# KiCad board Console.kicad_pcb
title: TI99_22; date: 2023-01-21; rev: V0.96
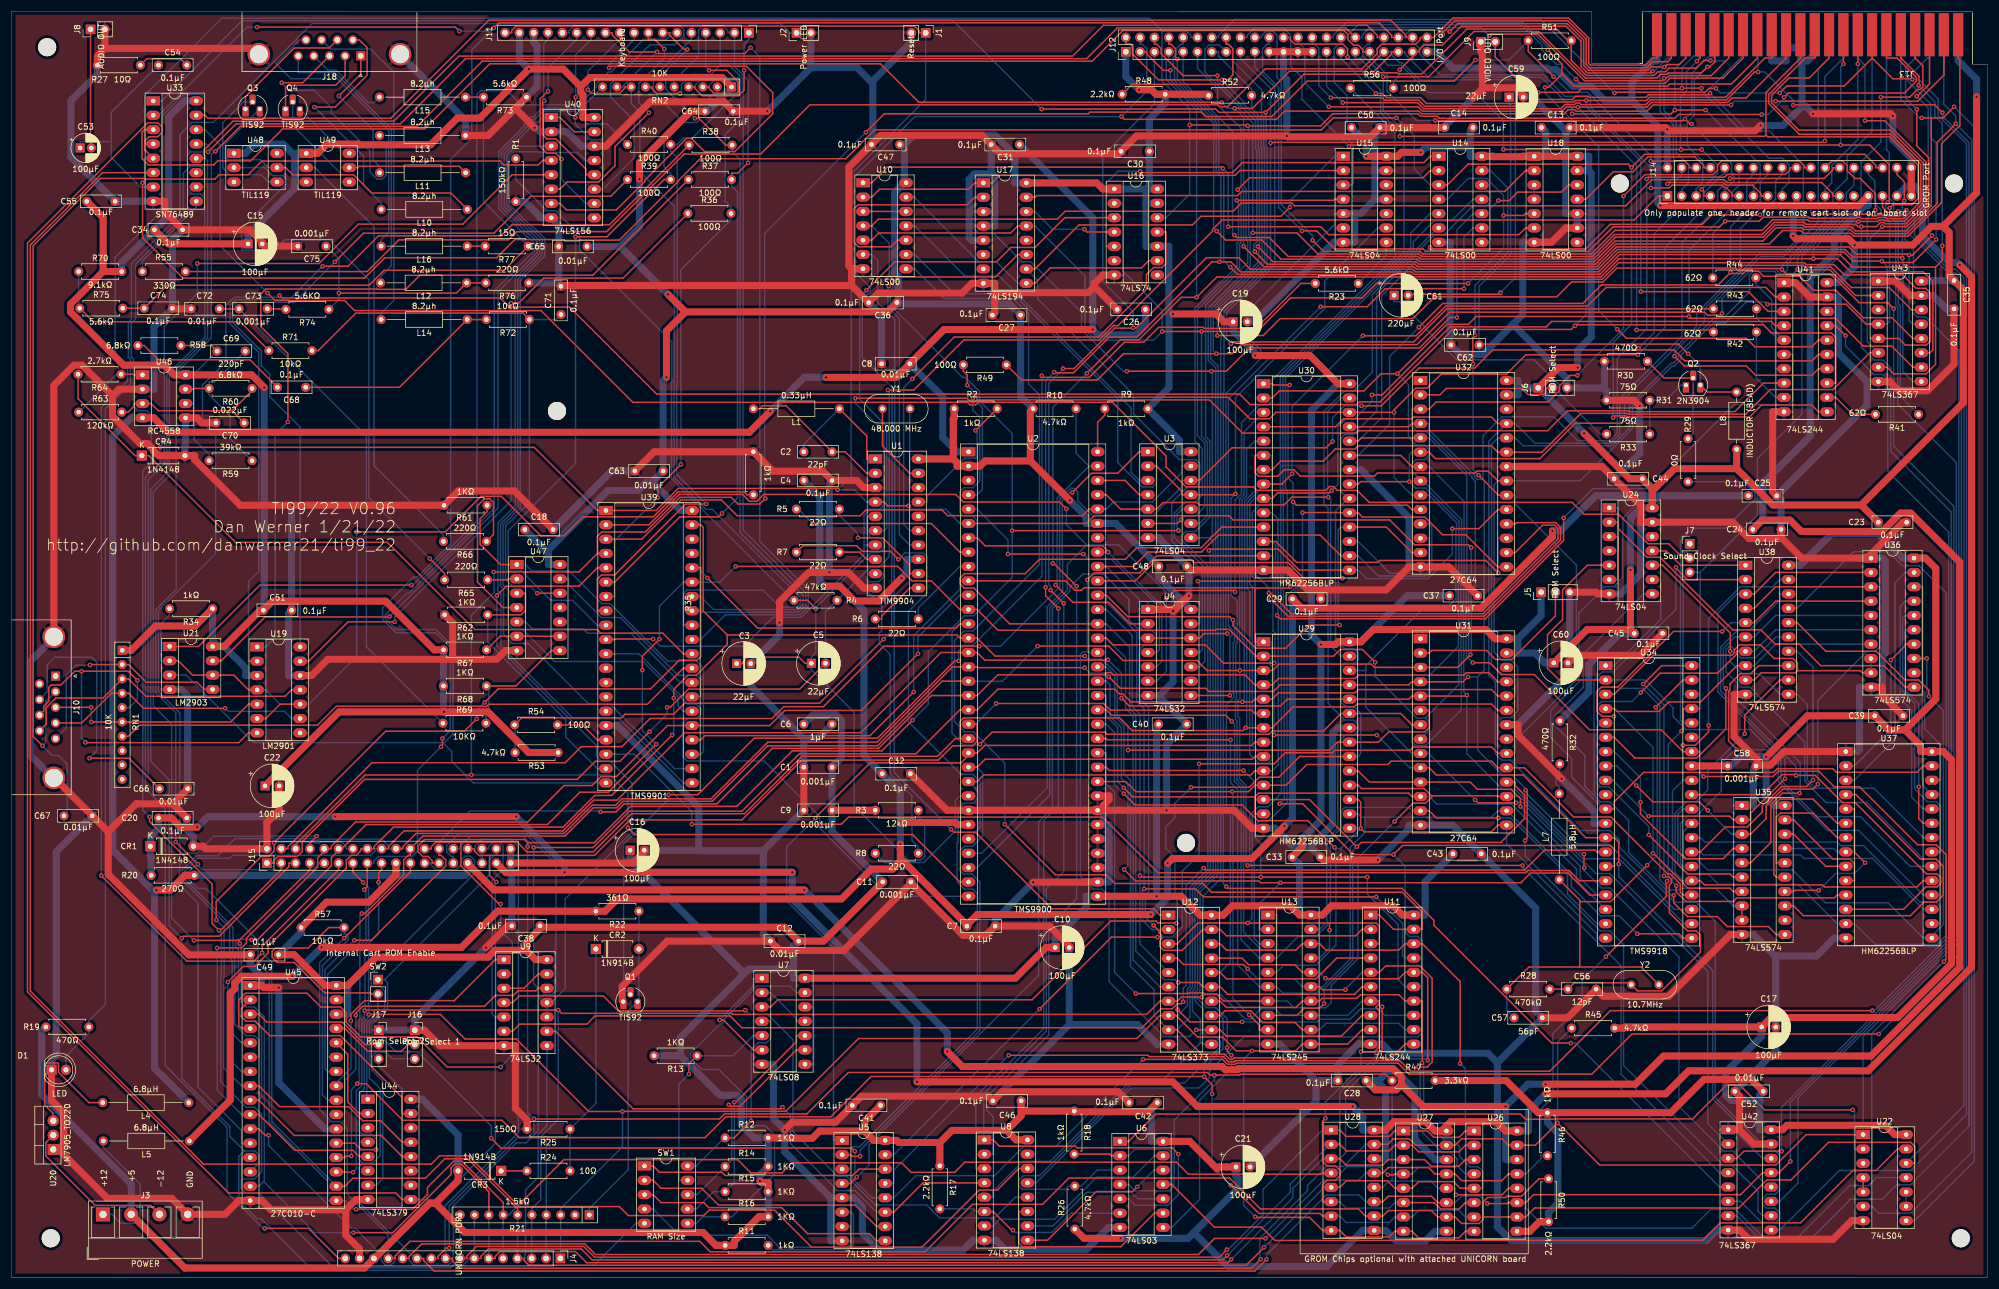
[diagram p0: board, top side]
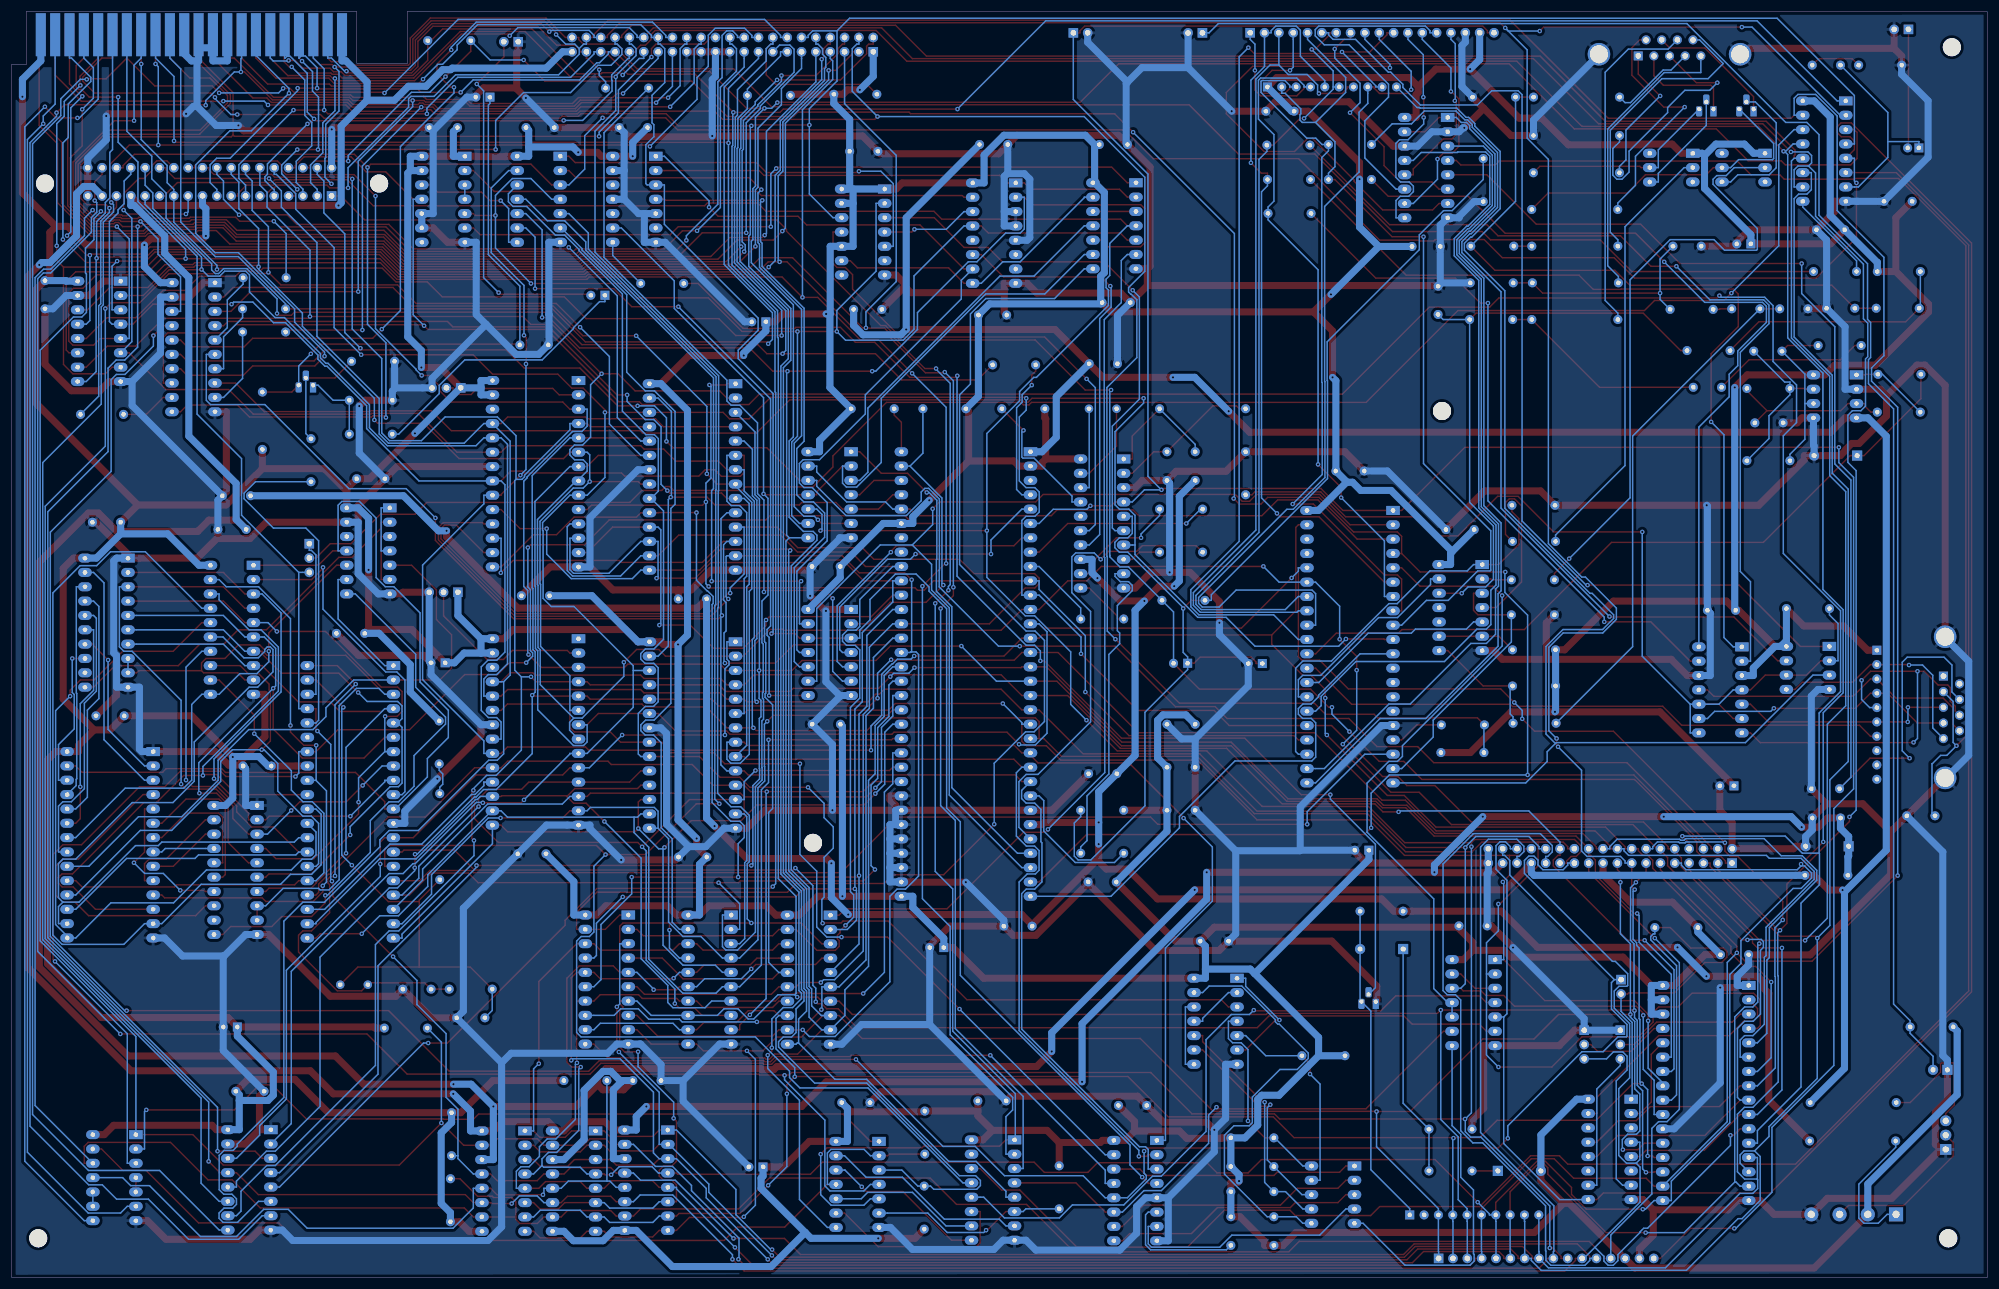
[diagram p1: board, bottom side, seen from below]

Outline 350 x 224.32 mm; copper layers: Top, Bottom. Coordinates in mm from the lower left corner of the outline.
Outline path: 0,224.12 0,0.16 arc(0.06,0.05) 0.18,0 349.79,0 arc(349.93,0.07) 350,0.22 349.94,214.92 347.34,214.92 347.34,224.32 288.84,224.32 288.84,215.12 279.84,215.12 279.84,224.32 0.17,224.31 arc(0.05,224.25) 0,224.12

## Placement (name value [footprint] x y rotation side)
C1  0.001µF  [C_Rect_L7.0mm_W2.0mm_P5.00mm]  145.35 90.42 180 top
C2  22pF  [C_Rect_L7.0mm_W2.0mm_P5.00mm]  140.35 146.3 0 top
C3  22µF  [CP_Radial_D7.5mm_P2.50mm]  128.45 108.79 0 top
C4  0.1µF  [C_Rect_L7.0mm_W2.0mm_P5.00mm]  140.35 141.22 0 top
C5  22µF  [CP_Radial_D7.5mm_P2.50mm]  141.68 108.84 0 top
C6  1µF  [C_Rect_L7.0mm_W2.0mm_P5.00mm]  140.35 98.04 0 top
C7  0.1µF  [C_Rect_L7.0mm_W2.0mm_P5.00mm]  169.23 62.28 0 top
C8  0.01µF  [C_Rect_L7.0mm_W2.0mm_P5.00mm]  159.11 161.89 180 top
C9  0.001µF  [C_Rect_L7.0mm_W2.0mm_P5.00mm]  145.35 82.8 180 top
C10  100µF  [CP_Radial_D7.5mm_P2.50mm]  184.86 58.48 0 top
C11  0.001µF  [C_Rect_L7.0mm_W2.0mm_P5.00mm]  154.31 70.1 0 top
C12  0.01µF  [C_Rect_L7.0mm_W2.0mm_P5.00mm]  134.44 59.62 0 top
C13  0.1µF  [C_Rect_L7.0mm_W2.0mm_P5.00mm]  270.99 203.72 0 top
C14  0.1µF  [C_Rect_L7.0mm_W2.0mm_P5.00mm]  258.85 203.72 180 top
C15  100µF  [CP_Radial_D7.5mm_P2.50mm]  41.94 183.12 0 top
C16  100µF  [CP_Radial_D7.5mm_P2.50mm]  109.58 75.72 0 top
C17  100µF  [CP_Radial_D7.5mm_P2.50mm]  309.97 44.42 0 top
C18  0.1µF  [C_Rect_L7.0mm_W2.0mm_P5.00mm]  90.94 132.52 0 top
C19  100µF  [CP_Radial_D7.5mm_P2.50mm]  216.37 169.32 0 top
C20  0.1µF  [C_Rect_L7.0mm_W2.0mm_P5.00mm]  26.08 81.44 0 top
C21  100µF  [CP_Radial_D7.5mm_P2.50mm]  216.87 19.62 0 top
C22  100µF  [CP_Radial_D7.5mm_P2.50mm]  44.94 87.12 0 top
C23  0.1µF  [C_Rect_L7.0mm_W2.0mm_P5.00mm]  330.63 133.82 0 top
C24  0.1µF  [C_Rect_L7.0mm_W2.0mm_P5.00mm]  308.41 132.55 0 top
C25  0.1µF  [C_Rect_L7.0mm_W2.0mm_P5.00mm]  307.63 138.52 0 top
C26  0.1µF  [C_Rect_L7.0mm_W2.0mm_P5.00mm]  200.83 171.52 180 top
C27  0.1µF  [C_Rect_L7.0mm_W2.0mm_P5.00mm]  178.74 170.52 180 top
C28  0.1µF  [C_Rect_L7.0mm_W2.0mm_P5.00mm]  239.94 34.92 180 top
C29  0.1µF  [C_Rect_L7.0mm_W2.0mm_P5.00mm]  226.88 120.24 0 top
C30  0.1µF  [C_Rect_L7.0mm_W2.0mm_P5.00mm]  201.54 199.52 180 top
C31  0.1µF  [C_Rect_L7.0mm_W2.0mm_P5.00mm]  178.54 200.72 180 top
C32  0.1µF  [C_Rect_L7.0mm_W2.0mm_P5.00mm]  154.23 89.28 0 top
C33  0.1µF  [C_Rect_L7.0mm_W2.0mm_P5.00mm]  226.83 74.52 0 top
C34  0.1µF  [C_Rect_L7.0mm_W2.0mm_P5.00mm]  25.34 185.62 0 top
C35  0.1µF  [C_Rect_L7.0mm_W2.0mm_P5.00mm]  344.04 176.62 270 top
C36  0.1µF  [C_Rect_L7.0mm_W2.0mm_P5.00mm]  156.83 172.72 180 top
C37  0.1µF  [C_Rect_L7.0mm_W2.0mm_P5.00mm]  254.68 120.81 0 top
C38  0.1µF  [C_Rect_L7.0mm_W2.0mm_P5.00mm]  93.64 62.32 180 top
C39  0.1µF  [C_Rect_L7.0mm_W2.0mm_P5.00mm]  330 99.53 0 top
C40  0.1µF  [C_Rect_L7.0mm_W2.0mm_P5.00mm]  203.17 98.04 0 top
C41  0.1µF  [C_Rect_L7.0mm_W2.0mm_P5.00mm]  153.94 30.52 180 top
C42  0.1µF  [C_Rect_L7.0mm_W2.0mm_P5.00mm]  202.94 31.02 180 top
C43  0.1µF  [C_Rect_L7.0mm_W2.0mm_P5.00mm]  255.31 75.09 0 top
C44  0.1µF  [C_Rect_L7.0mm_W2.0mm_P5.00mm]  288.84 141.52 180 top
C45  0.1µF  [C_Rect_L7.0mm_W2.0mm_P5.00mm]  287.42 114.14 0 top
C46  0.1µF  [C_Rect_L7.0mm_W2.0mm_P5.00mm]  178.83 31.32 180 top
C47  0.1µF  [C_Rect_L7.0mm_W2.0mm_P5.00mm]  157.33 200.72 180 top
C48  0.1µF  [C_Rect_L7.0mm_W2.0mm_P5.00mm]  203.21 125.98 0 top
C49  0.1µF  [C_Rect_L7.0mm_W2.0mm_P5.00mm]  47.33 57.22 180 top
C50  0.1µF  [C_Rect_L7.0mm_W2.0mm_P5.00mm]  237.34 203.72 0 top
C51  0.1µF  [C_Rect_L7.0mm_W2.0mm_P5.00mm]  44.64 118.22 0 top
C52  0.01µF  [C_Rect_L7.0mm_W2.0mm_P5.00mm]  310.24 33.02 180 top
C53  100µF  [CP_Radial_D5.0mm_P2.00mm]  12.18 200.12 0 top
C54  0.1µF  [C_Rect_L7.0mm_W2.0mm_P5.00mm]  26.08 214.79 0 top
C55  0.1µF  [C_Rect_L7.0mm_W2.0mm_P5.00mm]  18.38 190.66 180 top
C56  12pF  [C_Rect_L7.0mm_W2.0mm_P5.00mm]  275.67 51.12 0 top
C57  56pF  [C_Rect_L7.0mm_W2.0mm_P5.00mm]  266.13 46.03 0 top
C58  0.001µF  [C_Rect_L7.0mm_W2.0mm_P5.00mm]  303.97 90.64 0 top
C59  22µF  [CP_Radial_D7.5mm_P2.50mm]  265.24 209.12 0 top
C60  100µF  [CP_Radial_D7.5mm_P2.50mm]  273.17 108.92 0 top
C61  220µF  [CP_Radial_D7.5mm_P2.50mm]  244.87 174.02 0 top
C62  0.1µF  [C_Rect_L7.0mm_W2.0mm_P5.00mm]  259.94 165.22 180 top
C63  0.01µF  [C_Rect_L7.0mm_W2.0mm_P5.00mm]  115.43 142.89 180 top
C64  0.1µF  [C_Rect_L7.0mm_W2.0mm_P5.00mm]  127.83 206.62 180 top
C65  0.01µF  [C_Rect_L7.0mm_W2.0mm_P5.00mm]  101.94 182.66 180 top
C66  0.01µF  [C_Rect_L7.0mm_W2.0mm_P5.00mm]  26.23 86.62 0 top
C67  0.01µF  [C_Rect_L7.0mm_W2.0mm_P5.00mm]  9.34 81.82 0 top
C68  0.1µF  [C_Rect_L7.0mm_W2.0mm_P5.00mm]  52.14 157.72 180 top
C69  220pF  [C_Rect_L7.0mm_W2.0mm_P5.00mm]  36.44 164.12 0 top
C70  0.022µF  [C_Rect_L7.0mm_W2.0mm_P5.00mm]  41.23 151.42 180 top
C71  0.1µF  [C_Rect_L7.0mm_W2.0mm_P5.00mm]  97.33 170.62 90 top
C72  0.01µF  [C_Rect_L7.0mm_W2.0mm_P5.00mm]  36.84 171.62 180 top
C73  0.001µF  [C_Rect_L7.0mm_W2.0mm_P5.00mm]  40.33 171.62 0 top
C74  0.1µF  [C_Rect_L7.0mm_W2.0mm_P5.00mm]  23.53 171.72 0 top
C75  0.001µF  [C_Rect_L7.0mm_W2.0mm_P5.00mm]  55.73 182.72 180 top
CR1  1N4148  [D_A-405_P7.62mm_Horizontal]  24.62 76.42 0 top
CR2  1N914B  [D_A-405_P7.62mm_Horizontal]  103.52 58.22 0 top
CR3  1N914B  [D_A-405_P7.62mm_Horizontal]  86.75 18.92 180 top
CR4  1N4148  [D_A-405_P7.62mm_Horizontal]  23.12 145.62 0 top
D1  LED  [LED_D5.0mm]  7.13 36.82 0 top
H1  MountingHole  [MountingHole_3.2mm_M3]  345.24 6.99 0 top
H2  MountingHole  [MountingHole_3.2mm_M3]  208.04 77.02 0 top
H3  MountingHole  [MountingHole_3.2mm_M3]  6.35 217.96 0 top
H4  MountingHole  [MountingHole_3.2mm_M3]  96.64 153.52 0 top
H5  MountingHole  [MountingHole_3.2mm_M3]  6.98 6.99 0 top
H6  MountingHole  [MountingHole_3.2mm_M3]  284.86 193.81 0 top
H7  MountingHole  [MountingHole_3.2mm_M3]  344.04 193.82 0 top
J1  Reset  [PinHeader_1x02_P2.54mm_Vertical]  161.93 220.5 270 top
J2  Power LED  [PinHeader_1x02_P2.54mm_Vertical]  139.06 220.5 90 top
J3  POWER  [TerminalBlock_RND_205-00278_1x04_P5.00mm_Vertical]  16.23 11.22 0 top
J4  UNICORN PORT  [PinHeader_1x16_P2.54mm_Vertical]  97.23 3.42 270 top
J5  ROM Select  [PinHeader_1x03_P2.54mm_Vertical]  270.91 121.42 90 top
J6  ROM Select  [PinHeader_1x03_P2.54mm_Vertical]  270.41 157.62 90 top
J7  Sound Clock Select  [PinHeader_1x03_P2.54mm_Vertical]  297.23 130.02 0 top
J8  AUDIO OUT  [PinHeader_1x02_P2.54mm_Vertical]  14.03 221.12 90 top
J9  VIDEO OUT  [PinHeader_1x02_P2.54mm_Vertical]  260.24 218.92 90 top
J10  Joystick  [DSUB-9_Male_Horizontal_P2.77x2.84mm_EdgePinOffset4.94mm_Housed_MountingHolesOffset7.48mm]  7.84 106.57 270 top
J11  Keyboard  [PinHeader_1x18_P2.54mm_Vertical]  130.61 220.52 270 top
J12  I/O Port  [PinHeader_2x22_P2.54mm_Vertical]  197.36 217.15 90 top
J13  I/O Port  [44 Pin Card Edge]  359.65 209.23 180 top
J14  GROM Port  [CardEdge_34Pin_2.54mm_Vertical]  288.2 191.61 90 top
J15  GROM Port  [PinHeader_2x18_P2.54mm_Vertical]  45.26 73.45 90 top
J16  Rom Select 1  [PinSocket_1x03_P2.54mm_Vertical]  71.46 43.84 0 top
J17  Rom Select 2  [PinSocket_1x03_P2.54mm_Vertical]  65.06 43.84 0 top
J18  Cassette  [DSUB-9_Male_Horizontal_P2.77x2.84mm_EdgePinOffset4.94mm_Housed_MountingHolesOffset7.48mm]  61.89 216.41 180 top
L1  0.33µH  [R_Axial_DIN0207_L6.3mm_D2.5mm_P15.24mm_Horizontal]  146.65 153.92 180 top
L4  6.8µH  [R_Axial_DIN0207_L6.3mm_D2.5mm_P15.24mm_Horizontal]  31.44 31.02 180 top
L5  6.8µH  [R_Axial_DIN0207_L6.3mm_D2.5mm_P15.24mm_Horizontal]  31.53 24.22 180 top
L7  5.8µH  [R_Axial_DIN0207_L6.3mm_D2.5mm_P15.24mm_Horizontal]  274.13 70.51 90 top
L8  INDUCTOR (BEAD)  [R_Axial_DIN0207_L6.3mm_D2.5mm_P10.16mm_Horizontal]  305.54 146.72 90 top
L10  8.2µh  [R_Axial_DIN0207_L6.3mm_D2.5mm_P15.24mm_Horizontal]  80.75 189.22 180 top
L11  8.2µh  [R_Axial_DIN0207_L6.3mm_D2.5mm_P15.24mm_Horizontal]  80.45 195.72 180 top
L12  8.2µh  [R_Axial_DIN0207_L6.3mm_D2.5mm_P15.24mm_Horizontal]  80.64 176.22 180 top
L13  8.2µh  [R_Axial_DIN0207_L6.3mm_D2.5mm_P15.24mm_Horizontal]  80.44 202.32 180 top
L14  8.2µh  [R_Axial_DIN0207_L6.3mm_D2.5mm_P15.24mm_Horizontal]  80.73 169.72 180 top
L15  8.2µh  [R_Axial_DIN0207_L6.3mm_D2.5mm_P15.24mm_Horizontal]  80.44 209.12 180 top
L16  8.2µh  [R_Axial_DIN0207_L6.3mm_D2.5mm_P15.24mm_Horizontal]  80.73 182.72 180 top
Q1  TIS92  [TO-92_HandSolder]  108.36 48.9 0 top
Q2  2N3904  [TO-92L_HandSolder]  296.56 158.1 0 top
Q3  TIS92  [TO-92_HandSolder]  41.47 207 0 top
Q4  TIS92  [TO-92_HandSolder]  48.56 207 0 top
R1  150kΩ  [R_Axial_DIN0207_L6.3mm_D2.5mm_P7.62mm_Horizontal]  89.33 198.23 270 top
R2  1kΩ  [R_Axial_DIN0207_L6.3mm_D2.5mm_P7.62mm_Horizontal]  174.6 153.92 180 top
R3  12kΩ  [R_Axial_DIN0207_L6.3mm_D2.5mm_P7.62mm_Horizontal]  153 82.8 0 top
R4  47kΩ  [R_Axial_DIN0207_L6.3mm_D2.5mm_P7.62mm_Horizontal]  146.24 119.98 180 top
R5  22Ω  [R_Axial_DIN0207_L6.3mm_D2.5mm_P7.62mm_Horizontal]  139.04 136.14 0 top
R6  22Ω  [R_Axial_DIN0207_L6.3mm_D2.5mm_P7.62mm_Horizontal]  160.62 116.68 180 top
R7  22Ω  [R_Axial_DIN0207_L6.3mm_D2.5mm_P7.62mm_Horizontal]  139.04 128.52 0 top
R8  22Ω  [R_Axial_DIN0207_L6.3mm_D2.5mm_P7.62mm_Horizontal]  153 75.18 0 top
R9  1kΩ  [R_Axial_DIN0207_L6.3mm_D2.5mm_P7.62mm_Horizontal]  201.26 153.92 180 top
R10  4.7kΩ  [R_Axial_DIN0207_L6.3mm_D2.5mm_P7.62mm_Horizontal]  180.94 153.92 0 top
R11  1kΩ  [R_Axial_DIN0207_L6.3mm_D2.5mm_P7.62mm_Horizontal]  134.04 5.72 180 top
R12  1KΩ  [R_Axial_DIN0207_L6.3mm_D2.5mm_P7.62mm_Horizontal]  126.42 24.77 0 top
R13  1KΩ  [R_Axial_DIN0207_L6.3mm_D2.5mm_P7.62mm_Horizontal]  121.45 39.32 180 top
R14  1KΩ  [R_Axial_DIN0207_L6.3mm_D2.5mm_P7.62mm_Horizontal]  126.42 19.69 0 top
R15  1KΩ  [R_Axial_DIN0207_L6.3mm_D2.5mm_P7.62mm_Horizontal]  126.42 15.25 0 top
R16  1KΩ  [R_Axial_DIN0207_L6.3mm_D2.5mm_P7.62mm_Horizontal]  126.42 10.8 0 top
R17  2.2kΩ  [R_Axial_DIN0207_L6.3mm_D2.5mm_P7.62mm_Horizontal]  164.44 19.82 270 top
R18  1kΩ  [R_Axial_DIN0207_L6.3mm_D2.5mm_P7.62mm_Horizontal]  188.24 29.52 270 top
R19  470Ω  [R_Axial_DIN0207_L6.3mm_D2.5mm_P7.62mm_Horizontal]  6.12 44.42 0 top
R20  270Ω  [R_Axial_DIN0207_L6.3mm_D2.5mm_P7.62mm_Horizontal]  24.77 71.28 0 top
R21  1.5kΩ  [R_Array_SIP10]  102.36 11.12 180 top
R22  361Ω  [R_Axial_DIN0207_L6.3mm_D2.5mm_P7.62mm_Horizontal]  111.14 64.92 180 top
R23  5.6kΩ  [R_Axial_DIN0207_L6.3mm_D2.5mm_P7.62mm_Horizontal]  238.55 176.12 180 top
R24  10Ω  [R_Axial_DIN0207_L6.3mm_D2.5mm_P7.62mm_Horizontal]  91.33 18.92 0 top
R25  150Ω  [R_Axial_DIN0207_L6.3mm_D2.5mm_P7.62mm_Horizontal]  98.94 26.32 180 top
R26  4.7kΩ  [R_Axial_DIN0207_L6.3mm_D2.5mm_P7.62mm_Horizontal]  188.33 8.61 90 top
R27  10Ω  [R_Axial_DIN0207_L6.3mm_D2.5mm_P7.62mm_Horizontal]  22.86 214.79 180 top
R28  470kΩ  [R_Axial_DIN0207_L6.3mm_D2.5mm_P7.62mm_Horizontal]  264.83 51.12 0 top
R29  0Ω  [R_Axial_DIN0207_L6.3mm_D2.5mm_P7.62mm_Horizontal]  296.93 148.62 270 top
R30  470Ω  [R_Axial_DIN0207_L6.3mm_D2.5mm_P7.62mm_Horizontal]  289.75 162.32 180 top
R31  75Ω  [R_Axial_DIN0207_L6.3mm_D2.5mm_P7.62mm_Horizontal]  290.15 155.42 180 top
R32  470Ω  [R_Axial_DIN0207_L6.3mm_D2.5mm_P7.62mm_Horizontal]  274.23 98.62 270 top
R33  75Ω  [R_Axial_DIN0207_L6.3mm_D2.5mm_P7.62mm_Horizontal]  290.15 149.42 180 top
R34  1kΩ  [R_Axial_DIN0207_L6.3mm_D2.5mm_P7.62mm_Horizontal]  35.64 118.52 180 top
R35  1kΩ  [R_Axial_DIN0207_L6.3mm_D2.5mm_P7.62mm_Horizontal]  131.42 146.3 270 top
R36  100Ω  [R_Axial_DIN0207_L6.3mm_D2.5mm_P7.62mm_Horizontal]  119.83 188.52 0 top
R37  100Ω  [R_Axial_DIN0207_L6.3mm_D2.5mm_P7.62mm_Horizontal]  119.92 194.52 0 top
R38  100Ω  [R_Axial_DIN0207_L6.3mm_D2.5mm_P7.62mm_Horizontal]  120.02 200.62 0 top
R39  100Ω  [R_Axial_DIN0207_L6.3mm_D2.5mm_P7.62mm_Horizontal]  109.12 194.52 0 top
R40  100Ω  [R_Axial_DIN0207_L6.3mm_D2.5mm_P7.62mm_Horizontal]  109.12 200.72 0 top
R41  62Ω  [R_Axial_DIN0207_L6.3mm_D2.5mm_P7.62mm_Horizontal]  337.75 152.92 180 top
R42  62Ω  [R_Axial_DIN0207_L6.3mm_D2.5mm_P7.62mm_Horizontal]  301.43 167.52 0 top
R43  62Ω  [R_Axial_DIN0207_L6.3mm_D2.5mm_P7.62mm_Horizontal]  301.43 171.62 0 top
R44  62Ω  [R_Axial_DIN0207_L6.3mm_D2.5mm_P7.62mm_Horizontal]  301.32 177.12 0 top
R45  4.7kΩ  [R_Axial_DIN0207_L6.3mm_D2.5mm_P7.62mm_Horizontal]  276.32 44.22 0 top
R46  1kΩ  [R_Axial_DIN0207_L6.3mm_D2.5mm_P7.62mm_Horizontal]  272.04 21.61 90 top
R47  3.3kΩ  [R_Axial_DIN0207_L6.3mm_D2.5mm_P7.62mm_Horizontal]  244.53 34.92 0 top
R48  2.2kΩ  [R_Axial_DIN0207_L6.3mm_D2.5mm_P7.62mm_Horizontal]  196.73 209.62 0 top
R49  100Ω  [R_Axial_DIN0207_L6.3mm_D2.5mm_P7.62mm_Horizontal]  176.22 161.69 180 top
R50  2.2kΩ  [R_Axial_DIN0207_L6.3mm_D2.5mm_P7.62mm_Horizontal]  272.24 17.53 270 top
R51  100Ω  [R_Axial_DIN0207_L6.3mm_D2.5mm_P7.62mm_Horizontal]  268.63 219.12 0 top
R52  4.7kΩ  [R_Axial_DIN0207_L6.3mm_D2.5mm_P7.62mm_Horizontal]  212.02 209.42 0 top
R53  4.7kΩ  [R_Axial_DIN0207_L6.3mm_D2.5mm_P7.62mm_Horizontal]  96.83 93.02 180 top
R54  100Ω  [R_Axial_DIN0207_L6.3mm_D2.5mm_P7.62mm_Horizontal]  89.12 97.92 0 top
R55  330Ω  [R_Axial_DIN0207_L6.3mm_D2.5mm_P7.62mm_Horizontal]  30.84 178.22 180 top
R56  100Ω  [R_Axial_DIN0207_L6.3mm_D2.5mm_P7.62mm_Horizontal]  237.13 210.72 0 top
R57  10kΩ  [R_Axial_DIN0207_L6.3mm_D2.5mm_P7.62mm_Horizontal]  51.33 62.02 0 top
R58  6.8kΩ  [R_Axial_DIN0207_L6.3mm_D2.5mm_P7.62mm_Horizontal]  30.03 165.12 180 top
R59  39kΩ  [R_Axial_DIN0207_L6.3mm_D2.5mm_P7.62mm_Horizontal]  42.64 144.72 180 top
R60  6.8kΩ  [R_Axial_DIN0207_L6.3mm_D2.5mm_P7.62mm_Horizontal]  42.64 157.52 180 top
R61  1KΩ  [R_Axial_DIN0207_L6.3mm_D2.5mm_P7.62mm_Horizontal]  76.64 136.82 0 top
R62  1KΩ  [R_Axial_DIN0207_L6.3mm_D2.5mm_P7.62mm_Horizontal]  76.73 117.42 0 top
R63  120kΩ  [R_Axial_DIN0207_L6.3mm_D2.5mm_P7.62mm_Horizontal]  11.94 153.32 0 top
R64  2.7kΩ  [R_Axial_DIN0207_L6.3mm_D2.5mm_P7.62mm_Horizontal]  19.45 160.02 180 top
R65  220Ω  [R_Axial_DIN0207_L6.3mm_D2.5mm_P7.62mm_Horizontal]  84.36 123.62 180 top
R66  220Ω  [R_Axial_DIN0207_L6.3mm_D2.5mm_P7.62mm_Horizontal]  84.16 130.42 180 top
R67  1KΩ  [R_Axial_DIN0207_L6.3mm_D2.5mm_P7.62mm_Horizontal]  84.16 111.22 180 top
R68  1KΩ  [R_Axial_DIN0207_L6.3mm_D2.5mm_P7.62mm_Horizontal]  84.14 104.82 180 top
R69  10KΩ  [R_Axial_DIN0207_L6.3mm_D2.5mm_P7.62mm_Horizontal]  76.44 98.22 0 top
R70  9.1kΩ  [R_Axial_DIN0207_L6.3mm_D2.5mm_P7.62mm_Horizontal]  11.92 178.22 0 top
R71  10kΩ  [R_Axial_DIN0207_L6.3mm_D2.5mm_P7.62mm_Horizontal]  45.62 164.22 0 top
R72  10kΩ  [R_Axial_DIN0207_L6.3mm_D2.5mm_P7.62mm_Horizontal]  91.75 169.72 180 top
R73  5.6kΩ  [R_Axial_DIN0207_L6.3mm_D2.5mm_P7.62mm_Horizontal]  91.23 209.12 180 top
R74  5.6KΩ  [R_Axial_DIN0207_L6.3mm_D2.5mm_P7.62mm_Horizontal]  56.25 171.52 180 top
R75  5.6kΩ  [R_Axial_DIN0207_L6.3mm_D2.5mm_P7.62mm_Horizontal]  12.12 171.72 0 top
R76  220Ω  [R_Axial_DIN0207_L6.3mm_D2.5mm_P7.62mm_Horizontal]  91.64 176.22 180 top
R77  15Ω  [R_Axial_DIN0207_L6.3mm_D2.5mm_P7.62mm_Horizontal]  91.55 182.72 180 top
RN1  10K  [R_Array_SIP10]  19.63 111.15 270 top
RN2  10K  [R_Array_SIP10]  127.56 210.92 180 top
SW1  RAM Size  [DIP-10_W7.62mm_Socket_LongPads]  112.14 19.8 0 top
SW2  Internal Cart ROM Enable  [PinHeader_1x02_P2.54mm_Vertical]  64.94 52.8 0 top
U1  TIM9904  [DIP-20_W7.62mm_Socket_LongPads]  153.01 145.03 0 top
U2  TMS9900  [DIP-64_W22.86mm_Socket_LongPads]  169.51 146.3 0 top
U3  74LS04  [DIP-14_W7.62mm_Socket_LongPads]  201.27 146.31 0 top
U4  74LS32  [DIP-14_W7.62mm_Socket_LongPads]  201.27 118.37 0 top
U5  74LS138  [DIP-16_W7.62mm_Socket_LongPads]  147.13 24.32 0 top
U6  74LS03  [DIP-14_W7.62mm_Socket_LongPads]  196.33 24.15 0 top
U7  74LS08  [DIP-14_W7.62mm_Socket_LongPads]  132.94 53.05 0 top
U8  74LS138  [DIP-16_W7.62mm_Socket_LongPads]  172.33 24.42 0 top
U9  74LS32  [DIP-14_W7.62mm_Socket_LongPads]  87.23 56.34 0 top
U10  74LS00  [DIP-14_W7.62mm_Socket_LongPads]  150.83 193.94 0 top
U11  74LS244  [DIP-20_W7.62mm_Socket_LongPads]  240.74 64.25 0 top
U12  74LS373  [DIP-20_W7.62mm_Socket_LongPads]  204.94 64.22 0 top
U13  74LS245  [DIP-20_W7.62mm_Socket_LongPads]  222.54 64.25 0 top
U14  74LS00  [DIP-14_W7.62mm_Socket_LongPads]  252.78 198.65 0 top
U15  74LS04  [DIP-14_W7.62mm_Socket_LongPads]  235.87 198.65 0 top
U16  74LS74  [DIP-14_W7.62mm_Socket_LongPads]  195.33 192.85 0 top
U17  74LS194  [DIP-16_W7.62mm_Socket_LongPads]  172.13 193.92 0 top
U18  74LS00  [DIP-14_W7.62mm_Socket_LongPads]  269.69 198.65 0 top
U19  LM2901  [DIP-14_W7.62mm_Socket_LongPads]  43.53 111.75 0 top
U20  LM7905_TO220  [TO-220-3_Vertical]  7.44 22.72 90 top
U21  LM2903  [DIP-8_W7.62mm_Socket_LongPads]  28.03 111.82 0 top
U22  74LS04  [DIP-14_W7.62mm_Socket_LongPads]  327.94 25.34 0 top
U24  74LS04  [DIP-14_W7.62mm_Socket_LongPads]  282.98 136.37 0 top
U26  TMC0430  [DIP-16_W7.62mm_Socket_LongPads]  259.04 26 0 top
U27  TMC0430  [DIP-16_W7.62mm_Socket_LongPads]  246.54 26 0 top
U28  TMC0430  [DIP-16_W7.62mm_Socket_LongPads]  233.74 26.16 0 top
U29  HM62256BLP  [DIP-28_W15.24mm_Socket_LongPads]  221.75 112.64 0 top
U30  HM62256BLP  [DIP-28_W15.24mm_Socket_LongPads]  221.75 158.36 0 top
U31  27C64  [DIP-28_W15.24mm_Socket_LongPads]  249.56 113.19 0 top
U32  27C64  [DIP-28_W15.24mm_Socket_LongPads]  249.55 158.92 0 top
U33  SN76489  [DIP-16_W7.62mm_Socket_LongPads]  25.13 208.44 0 top
U34  TMS9918  [DIP-40_W15.24mm_Socket_LongPads]  282.34 108.42 0 top
U35  74LS574  [DIP-20_W7.62mm_Socket_LongPads]  306.48 83.65 0 top
U36  74LS574  [DIP-20_W7.62mm_Socket_LongPads]  329.34 127.47 0 top
U37  HM62256BLP  [DIP-28_W15.24mm_Socket_LongPads]  324.88 93.2 0 top
U38  74LS574  [DIP-20_W7.62mm_Socket_LongPads]  307.11 126.2 0 top
U39  TMS9901  [DIP-40_W15.24mm_Socket_LongPads]  105.31 135.91 0 top
U40  74LS156  [DIP-16_W7.62mm_Socket_LongPads]  95.64 205.52 0 top
U41  74LS244  [DIP-20_W7.62mm_Socket_LongPads]  313.94 176.25 0 top
U42  74LS367  [DIP-16_W7.62mm_Socket_LongPads]  304.04 26.22 0 top
U43  74LS367  [DIP-16_W7.62mm_Socket_LongPads]  330.63 176.52 0 top
U44  74LS379  [DIP-16_W7.62mm_Socket_LongPads]  63.14 31.62 0 top
U45  27C010-C  [DIP-32_W15.24mm_Socket_LongPads]  42.31 51.77 0 top
U46  RC4558  [DIP-8_W7.62mm_Socket_LongPads]  23.23 159.92 0 top
U47  74LS06  [DIP-14_W7.62mm_Socket_LongPads]  89.53 126.32 0 top
U48  TIL119  [DIP-6_W7.62mm_Socket_LongPads]  39.44 199.17 0 top
U49  TIL119  [DIP-6_W7.62mm_Socket_LongPads]  52.23 199.17 0 top
Y1  48.000 MHz  [Crystal_HC49-U_Vertical]  154.27 153.92 0 top
Y2  10.7MHz  [Crystal_HC49-U_Vertical]  286.87 51.91 0 top
